# Altium PCB MB1605.PcbDoc (part 1 of 11) (continued)
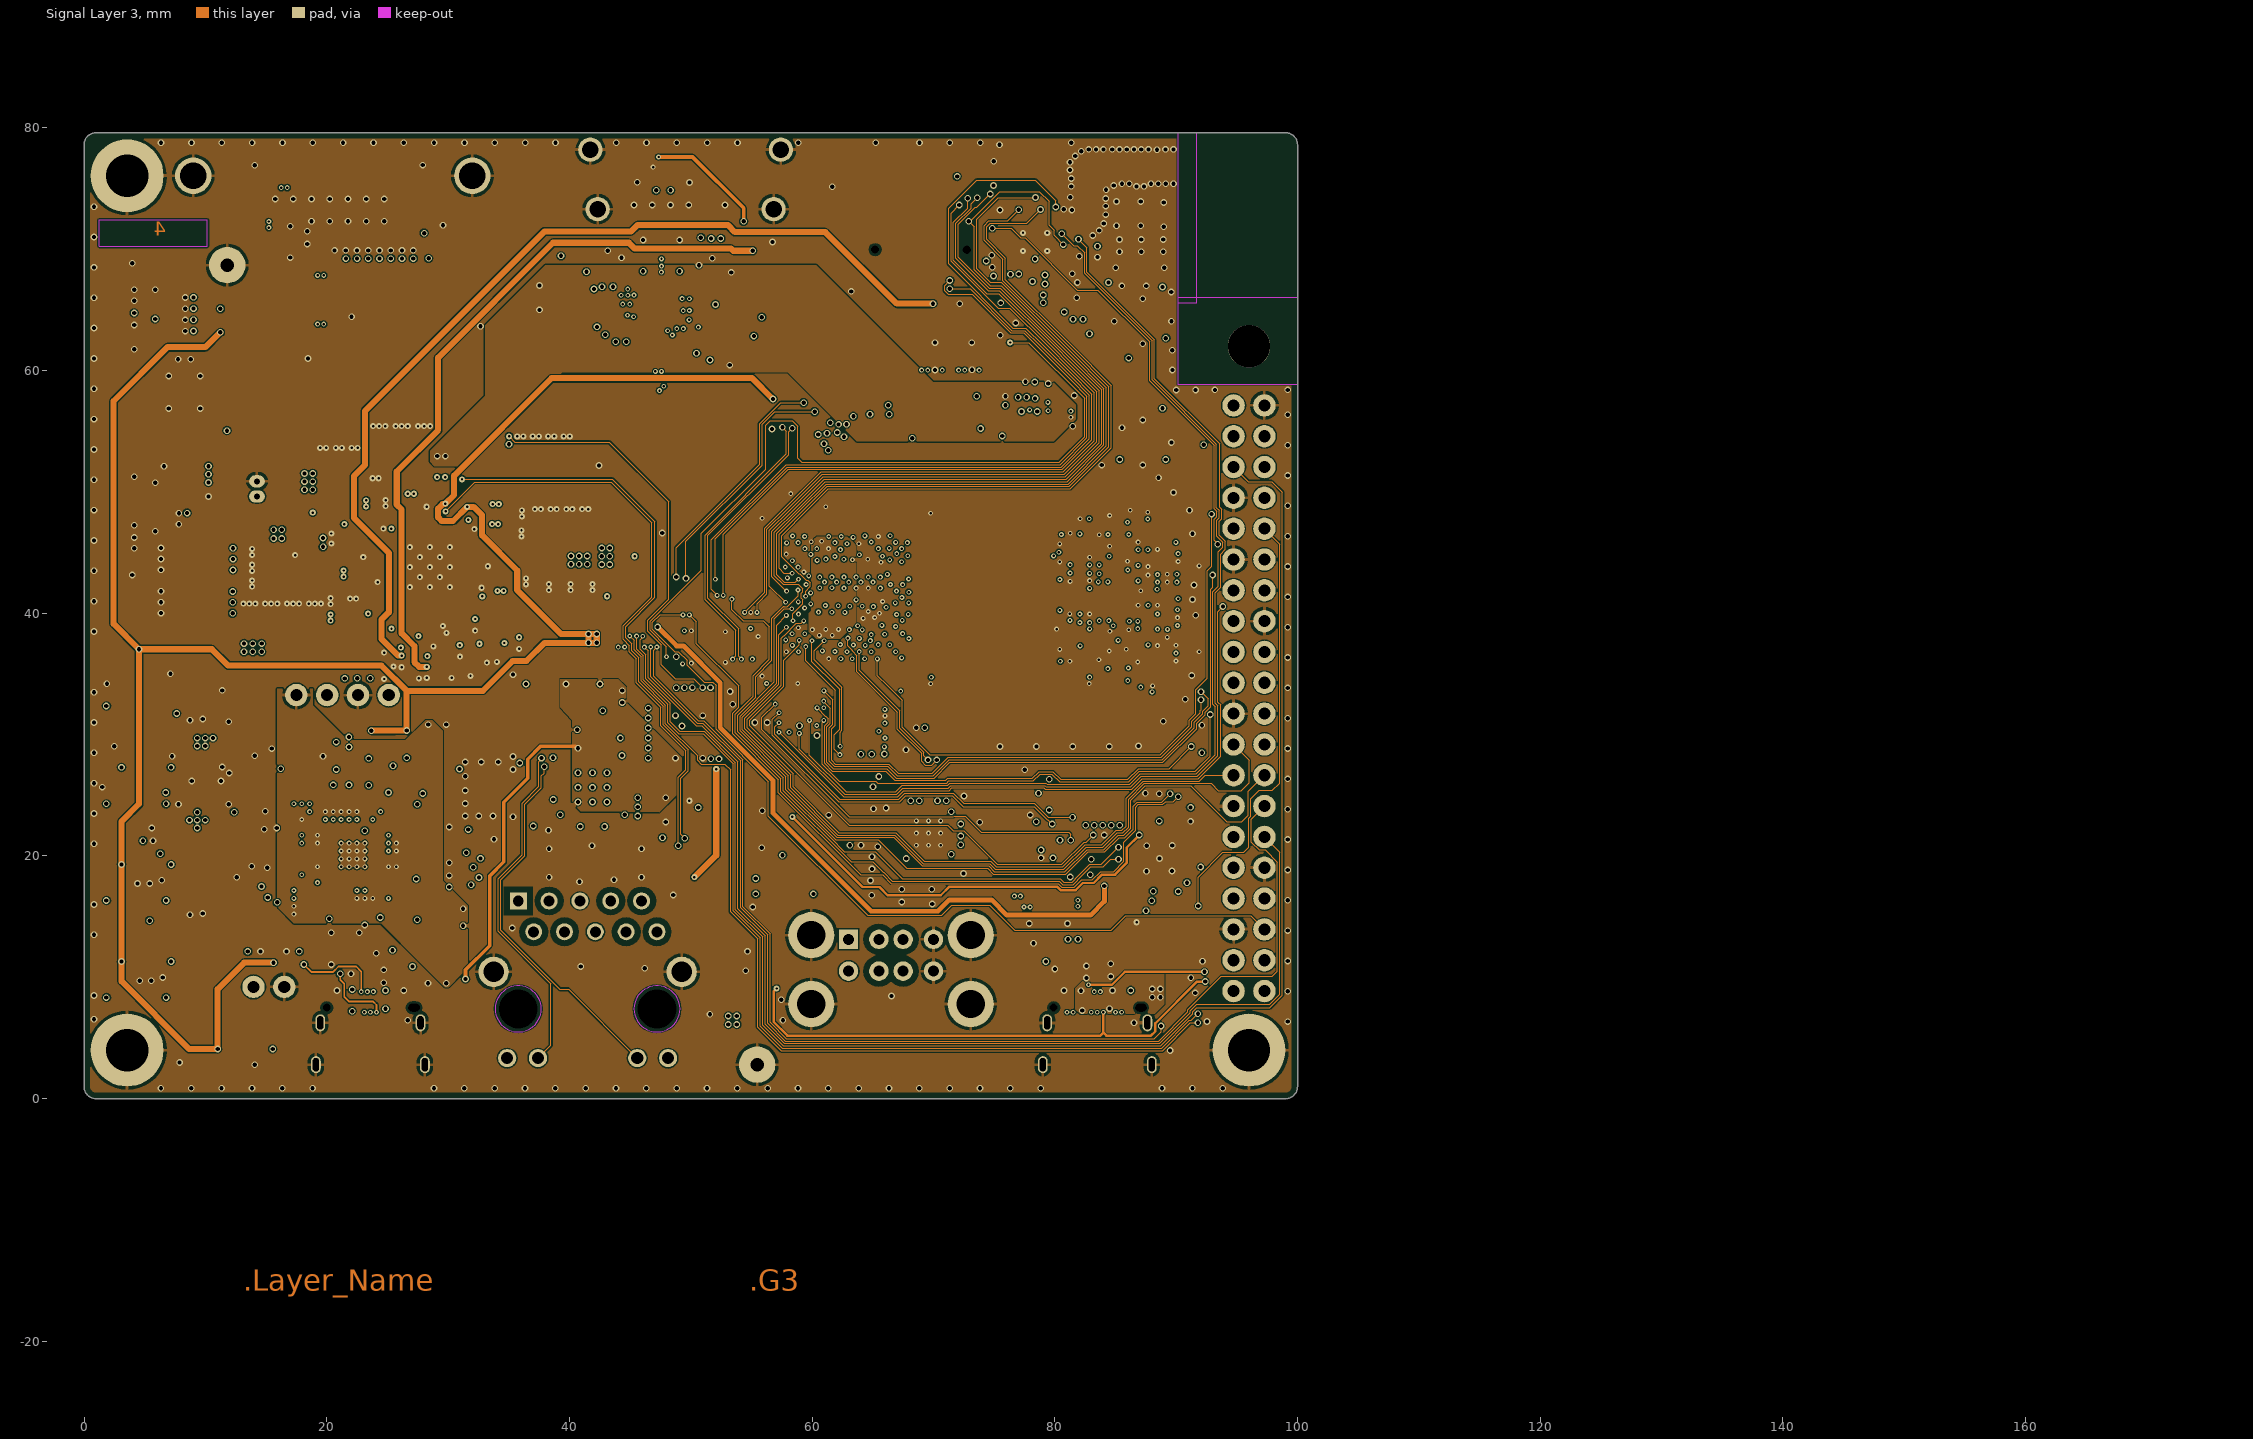
[diagram p4: Signal Layer 3]
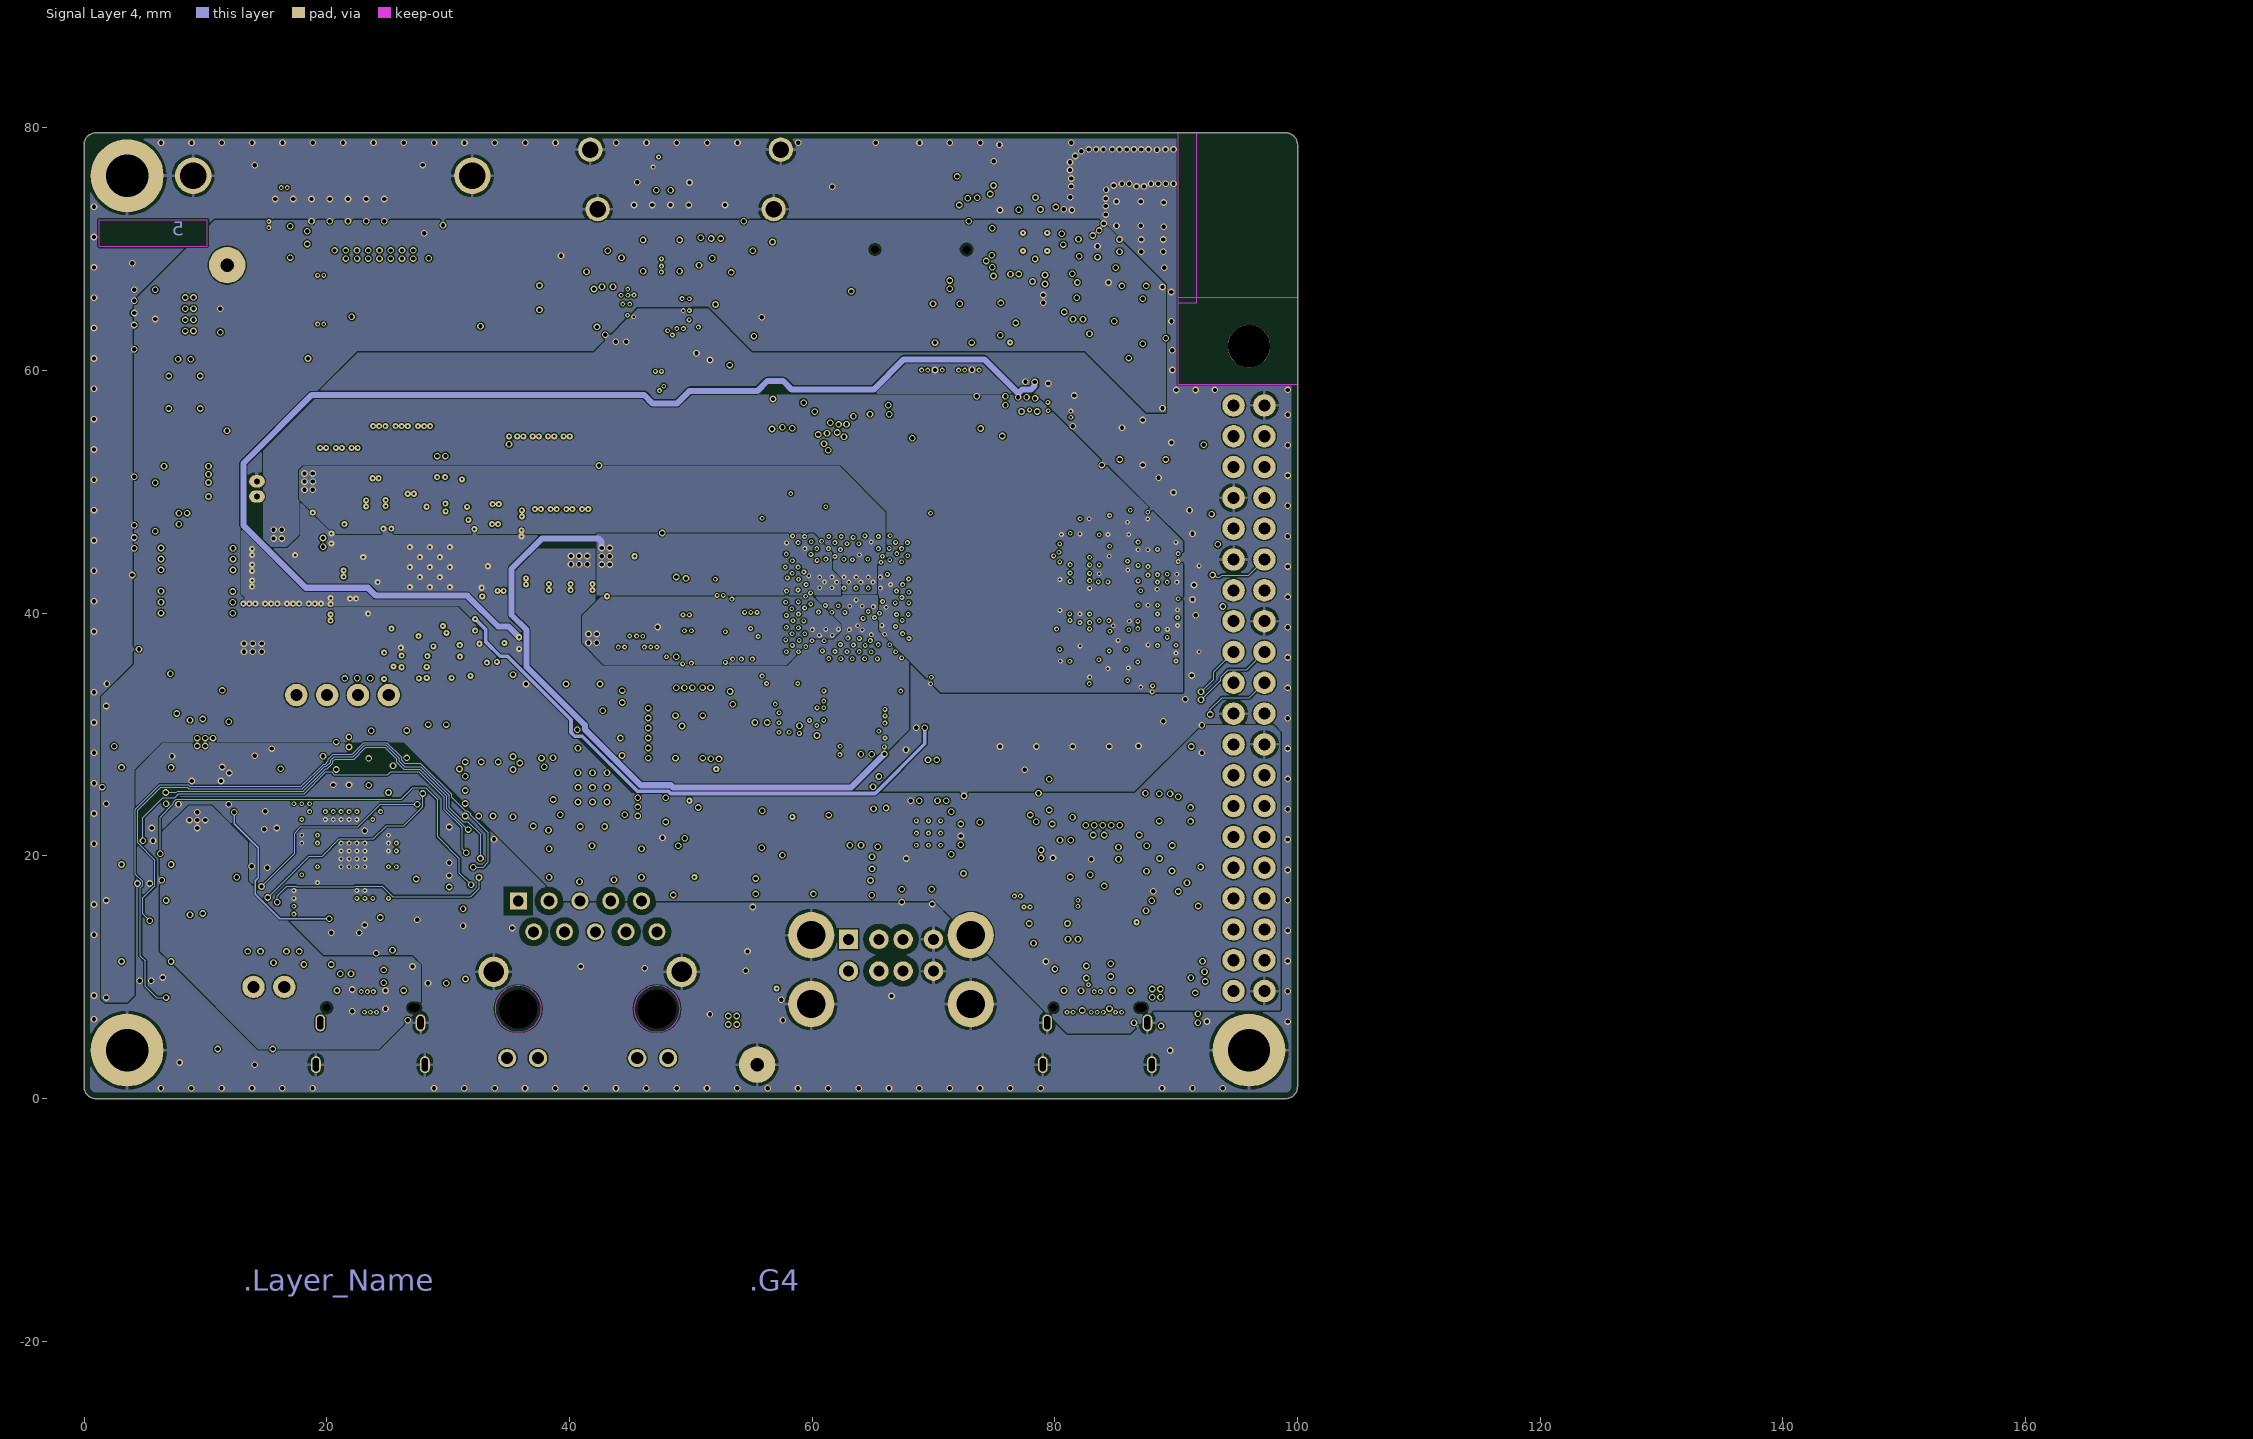
[diagram p5: Signal Layer 4]

## Layer stack, top to bottom
Top Solder: solder mask 0.025, Solder Resist, Dk 3.5
Top Layer: signal copper 0.037
Dielectric 1: prepreg 0.072, Dk 3.8
Signal Layer 1: signal copper 0.035
Dielectric 2: core 0.5, Dk 5
Signal Layer 2: signal copper 0.035
Dielectric 3: core 0.191, Dk 4.3
Signal Layer 3: signal copper 0.035
Dielectric 4: core 0.5, Dk 5
Signal Layer 4: signal copper 0.035
Dielectric 5: prepreg 0.072, Dk 3.8
Bottom Layer: signal copper 0.037
Bottom Solder: solder mask 0.025, Solder Resist, Dk 3.5

## Board outline
0,1 0,78.6 cw(c1,78.6) 1,79.6 99,79.6 cw(c99,78.6) 100,78.6 100,1 cw(c99,1) 99,0 1,0 cw(c1,1)

## Design rules (kind name [scope] priority, off if disabled: settings)
BoardOutlineClearance Silkscreen [OnLayer('Top Overlay') or OnLayer('Bottom Overlay')] p1: gap=0 ignorepadtopadclearanceinfootprint=FALSE
BoardOutlineClearance [All] p2: gap=0.5 ignorepadtopadclearanceinfootprint=FALSE
Clearance via_in_pad_ok [IsVia vs IsPad and ( ((Name='U50-21') or (Name='U30-33') or (Name='U34-25') or (Name='U38-41') or (Name='U26-57') ) or HasFootprint('MOD_WLAN-BT_MURATA_LBEE5KL1YN-814') )] p1: gap=0.3 ignorepadtopadclearanceinfootprint=TRUE except(0: Track-Track Track-SMDPad Track-Via Track-Region SMDPad-Via SMDPad-Hole Via-Region Via-Hole; 0.1: Arc-Arc Arc-Track Arc-SMDPad Arc-THPad Arc-Via Arc-Poly Track-THPad Track-Poly SMDPad-THPad Via-Via Via-Poly Poly-Poly; 0.15: Track-Hole SMDPad-Poly SMDPad-Region Fill-Fill; 0.17: Region-Region; 0.19: Arc-Hole; 0.2: SMDPad-SMDPad THPad-THPad THPad-Via THPad-Poly; 0.25: THPad-Hole Fill-Hole Poly-Hole Region-Hole Text-Hole)
Clearance Clearance_POLY_DIFF-PAIRS [InDifferentialPairClass('100H') or InDifferentialPairClass('90H') vs IsCopperRegion] p2: gap=0.3 ignorepadtopadclearanceinfootprint=TRUE except(0: SMDPad-Hole Via-Hole; 0.1: Arc-Arc Arc-Track Arc-Via Track-Track Track-SMDPad Track-Via Via-Via Via-Poly; 0.12: SMDPad-Via; 0.15: Arc-SMDPad Arc-THPad Track-THPad Track-Region SMDPad-Region; 0.17: Region-Region; 0.2: Track-Hole SMDPad-SMDPad SMDPad-THPad THPad-THPad THPad-Via Poly-Hole; 0.25: Arc-Hole THPad-Hole Fill-Hole Region-Hole Text-Hole; 0.48: Arc-Poly Track-Poly SMDPad-Poly THPad-Poly Fill-Poly Poly-Poly)
Clearance Clearance_POLY_50R [InNetClass('50H') or InNetClass('55H') vs IsCopperRegion] p3: gap=0.3 ignorepadtopadclearanceinfootprint=TRUE except(0: SMDPad-Hole Via-Hole; 0.1: Arc-Arc Arc-Track Arc-SMDPad Arc-THPad Arc-Via Track-SMDPad Track-THPad Track-Via Track-Region SMDPad-SMDPad SMDPad-THPad SMDPad-Via SMDPad-Region THPad-THPad THPad-Via Via-Via Via-Poly Region-Region; 0.2: Track-Track Track-Hole Poly-Hole; 0.25: Arc-Hole THPad-Hole Fill-Hole Region-Hole Text-Hole; 0.33: Arc-Poly Track-Poly SMDPad-Poly THPad-Poly Fill-Poly Poly-Poly)
Clearance Clearance_MCU_DDR [WithinRoom('U_Power_PMIC') or WithinRoom('RoomDefinition_DDR') or WithinRoom('RoomDefinition_eMMC')] p4: gap=0.1 ignorepadtopadclearanceinfootprint=TRUE except(0: SMDPad-Hole Via-Hole; 0.09: Track-Track Track-SMDPad; 0.2: Track-Hole Poly-Hole; 0.25: Arc-Hole THPad-Hole Fill-Hole Region-Hole Text-Hole)
Clearance Clearance_Default_SAME-NETS [Isvia vs IsPad] p5: gap=0.1 ignorepadtopadclearanceinfootprint=TRUE except(0: Track-Track Track-SMDPad Track-Via Track-Region SMDPad-Hole Via-Region Via-Hole; 0.075: SMDPad-Via; 0.15: Track-Hole; 0.19: Arc-Hole; 0.25: THPad-Hole Fill-Hole Poly-Hole Region-Hole Text-Hole)
Clearance Clearance_Default [All] p6: gap=0.1 ignorepadtopadclearanceinfootprint=TRUE except(0: SMDPad-Hole Via-Hole; 0.09: Track-Track; 0.2: Track-Hole Poly-Hole; 0.25: Arc-Hole THPad-Hole Fill-Hole Region-Hole Text-Hole)
ComponentClearance [All] p1: gap=0.2 collisioncheckmode=3 verticalgap=0 showdistances=FALSE
DiffPairsRouting 100H [InDifferentialPairClass('100H')] p1: maxlimit=0.254 minlimit=0.16 mostfreqgap=0.16 toplayer_maxgap=0.16 toplayer_minwidth=0.09 toplayer_maxwidth=0.09 toplayer_prefwidth=0.09 midlayer1_minwidth=0.09 midlayer1_maxwidth=0.381 midlayer1_prefwidth=0.09 midlayer4_minwidth=0.09 midlayer4_maxwidth=0.381 midlayer4_prefwidth=0.09 bottomlayer_maxgap=0.16 bottomlayer_minwidth=0.09 bottomlayer_maxwidth=0.09 bottomlayer_prefwidth=0.09 impedanceprofiledriven=TRUE impedanceprofileid={628B3294-B84C-4222-8D8D-B3EA8745C43E} impedanceprofilevalue=100.000000 maxuncoupledlength=12.7
DiffPairsRouting 90H [InDifferentialPairClass('90H')] p2: maxlimit=0.254 minlimit=0.12 mostfreqgap=0.254 toplayer_maxgap=0.12 toplayer_prefgap=0.12 toplayer_minwidth=0.09 toplayer_maxwidth=0.1 toplayer_prefwidth=0.1 bottomlayer_maxgap=0.12 bottomlayer_prefgap=0.12 bottomlayer_minwidth=0.1 bottomlayer_maxwidth=0.1 bottomlayer_prefwidth=0.1 impedanceprofiledriven=TRUE impedanceprofileid={4FA8ED21-C296-41FC-BFF2-99B46465CFD5} impedanceprofilevalue=90.000000 maxuncoupledlength=12.7
FanoutControl Fanout_BGA [IsBGA] p1: bgadir=Out bgaviamode=Closest fanoutstyle=Auto fanoutdirection=Alternating viagrid=0.025 // Fanout_BGA (Default Rule)
FanoutControl Fanout_LCC [IsLCC] p2: bgadir=Out bgaviamode=Closest fanoutstyle=Auto fanoutdirection=Alternating viagrid=0.025 // Fanout_LCC (Default Rule)
FanoutControl Fanout_SOIC [IsSOIC] p3: bgadir=Out bgaviamode=Closest fanoutstyle=Auto fanoutdirection=Alternating viagrid=0.025 // Fanout_SOIC (Default Rule)
FanoutControl Fanout_Small [(CompPinCount < 5)] p4: bgadir=Out bgaviamode=Closest fanoutstyle=Auto fanoutdirection=OutThenIn viagrid=0.025 // Fanout_Small (Default Rule)
FanoutControl Fanout_Default [All] p5: bgadir=Out bgaviamode=Closest fanoutstyle=Auto fanoutdirection=Alternating viagrid=0.025 // Fanout_Default (Default Rule)
HoleSize [All] p1: absolutevalues=TRUE maxlimit=10 minlimit=0.1 maxpercent=80.000 minpercent=20.000
HoleToHoleClearance [All] p1: gap=0.25 allowstackedmicrovias=TRUE
Length Length__SINGLE_SDMMC1_50R [InxSignalClass('SDMMC1')] p1: maxlimit=100 minlimit=0
Length Length__SINGLE_SDMMC2_50R [InxSignalClass('SDMMC2')] p2: maxlimit=50 minlimit=0
MatchedLengths MatchedLengths_INTRA_LVDS [InxSignalClass('LVDS')] p1: tolerance=5 checknetsindiffpair=FALSE checkdiffpairvsdiffpair=TRUE checkxsignals=TRUE checkothers=TRUE
MatchedLengths MatchedLengths_INTRA_DSI [InxSignalClass('DSI')] p2: tolerance=3 checknetsindiffpair=FALSE checkdiffpairvsdiffpair=TRUE checkxsignals=TRUE checkothers=TRUE
MatchedLengths MatchedLengths_INTRA_CSI [InxSignalClass('CSI')] p3: tolerance=1.3 checknetsindiffpair=FALSE checkdiffpairvsdiffpair=TRUE checkxsignals=TRUE checkothers=TRUE
MatchedLengths MatchedLengths_SDMMC2 [InxSignalClass('SDMMC2')] p4: tolerance=5 checknetsindiffpair=FALSE checkdiffpairvsdiffpair=TRUE checkxsignals=TRUE checkothers=TRUE
MatchedLengths MatchedLengths_SDMMC3 [InxSignalClass('SDMMC3')] p5: tolerance=5 checknetsindiffpair=FALSE checkdiffpairvsdiffpair=TRUE checkxsignals=TRUE checkothers=TRUE
MatchedLengths MatchedLengths_SDMMC1 [InxSignalClass('SDMMC1')] p6: tolerance=5 checknetsindiffpair=FALSE checkdiffpairvsdiffpair=TRUE checkxsignals=TRUE checkothers=TRUE
MatchedLengths MatchedLengths_ETH [InxSignalClass('ETH')] p7: tolerance=10 checknetsindiffpair=FALSE checkdiffpairvsdiffpair=TRUE checkxsignals=TRUE checkothers=TRUE
MaxMinImpedance "Schematic Impedance Constraint_3" [InNet('STLK_USB_CN_N')] p1: minimum=85.00 maximum=95.00
MaxMinImpedance "Schematic Impedance Constraint_2" [InNet('STLK_USB_P')] p2: minimum=85.00 maximum=95.00
MaxMinImpedance "Schematic Impedance Constraint_1" [InNet('STLK_USB_N')] p3: minimum=85.00 maximum=95.00
MaxMinImpedance "Schematic Impedance Constraint" [InNet('STLK_USB_CN_P')] p4: minimum=85.00 maximum=95.00
MinimumSolderMaskSliver MinimumSolderMaskSliver_SOLDER_BRIDGE [All vs HasFootprint('SOLDER-BRIDGE_R0603-0R')] p1: minsoldermaskwidth=0.07
MinimumSolderMaskSliver [All] p2: minsoldermaskwidth=0.075
PlaneConnect [All] p1: planeconnectstyle=Direct reliefexpansion=0.508 reliefentries=4 reliefconductorwidth=0.21 reliefairgap=0.21
PolygonConnect PolygonConnect_Default [All] p1: thpad.connectstyle=Relief thpad.reliefconductorwidth=0.25 thpad.reliefentries=4 thpad.polygonreliefangle="90 Angle" thpad.airgapwidth=0.25 smdpad.connectstyle=NoConnect smdpad.reliefconductorwidth=0.2 smdpad.reliefentries=4 smdpad.polygonreliefangle="90 Angle" smdpad.airgapwidth=0.15 via.connectstyle=Direct via.reliefconductorwidth=0.2 via.reliefentries=4 via.polygonreliefangle="90 Angle" via.airgapwidth=0.2
RoomDefinition RoomDefinition_eMMC [False] p1: confinementstyle=ConfineIn formatcopy=TRUE lockcomponents=FALSE outline 74.056,62.109 81.346,62.109 81.346,54.705 74.056,54.705
RoomDefinition RoomDefinition_DDR [False] p2: confinementstyle=ConfineIn formatcopy=TRUE lockcomponents=FALSE outline 79.028,49.26 90.8,49.26 90.8,33.46 79.028,33.46
RoomDefinition U_Power_PMIC [InComponentClass('U_Power_PMIC')] p3: confinementstyle=ConfineIn formatcopy=TRUE lockcomponents=FALSE outline 55.625,48.575 70.125,48.575 70.125,34.075 55.625,34.075
RoutingLayers RoutingLayers_SINGLE_SDMMC1_50R [InNetClass('NC_SINGLE_SDMMC1_50R')] p1: top layer_v5=TRUE mid layer 1_v5=FALSE mid layer 2_v5=FALSE mid layer 3_v5=FALSE mid layer 4_v5=FALSE bottom layer_v5=TRUE
RoutingLayers RoutingLayers_SINGLE_SDMMC2_50R [InNetClass('NC_SINGLE_SDMMC2_50R')] p2: top layer_v5=TRUE mid layer 1_v5=FALSE mid layer 2_v5=FALSE mid layer 3_v5=FALSE mid layer 4_v5=FALSE bottom layer_v5=TRUE
RoutingLayers RoutingLayers_SINGLE_OCTOSPI_50R [InNetClass('NC_SINGLE_OCTOSPI_50R')] p3: top layer_v5=TRUE mid layer 1_v5=FALSE mid layer 2_v5=FALSE mid layer 3_v5=FALSE mid layer 4_v5=FALSE bottom layer_v5=TRUE
RoutingLayers RoutingLayers_SINGLE_DDR_55R [InNetClass('NC_SINGLE_DDR_55R')] p4: top layer_v5=TRUE mid layer 1_v5=FALSE mid layer 2_v5=FALSE mid layer 3_v5=FALSE mid layer 4_v5=FALSE bottom layer_v5=TRUE
RoutingLayers RoutingLayers_SINGLE_RGMII_ALL_50R_AND_CLK [InNetClass('NC_SINGLE_RGMII_ALL_50R_AND_CLK')] p5: top layer_v5=TRUE mid layer 1_v5=FALSE mid layer 2_v5=FALSE mid layer 3_v5=FALSE mid layer 4_v5=FALSE bottom layer_v5=TRUE
RoutingLayers RoutingLayers_I_SENS_XX_L3 [InNetClass('NC_I_SENS_XXX')] p6: top layer_v5=TRUE mid layer 1_v5=FALSE mid layer 2_v5=TRUE mid layer 3_v5=FALSE mid layer 4_v5=FALSE bottom layer_v5=TRUE
RoutingLayers [All] p7: top layer_v5=TRUE mid layer 1_v5=TRUE mid layer 2_v5=TRUE mid layer 3_v5=TRUE mid layer 4_v5=TRUE bottom layer_v5=TRUE
RoutingVias LVH [InDrillLayerPair('Top Layer - Signal Layer 1')] p1: holewidth=0.15 width=0.4 viastyle="Through Hole" minholewidth=0.15 minwidth=0.4 maxholewidth=0.35 maxwidth=0.6 useviatemplates=TRUE viatemplateguid#1={EFD40917-9999-4685-82FF-413DDD0863D8} viatemplatename#1=v25h10z30x30m0mx40
RoutingVias RoutingVias_Default [InDrillLayerPair('Top Layer - Bottom Layer')] p2: holewidth=0.15 width=0.4 viastyle="Through Hole" minholewidth=0.15 minwidth=0.4 maxholewidth=0.35 maxwidth=0.6 useviatemplates=TRUE viatemplateguid#1={8082EAB8-D593-4669-9C8E-234CD125C595} viatemplateguid#2={45AB699A-D4FA-449C-AC3F-FE300CB3C27D} viatemplateguid#3={0C56A9B8-CF93-463B-97D5-BDCC265789B0} viatemplateguid#4={9F28DA9E-6088-4B56-A5CF-E6C86A3E97F7} viatemplatename#1=v40h20m0mx0 viatemplatename#2=v40h20m25 viatemplatename#3=v50h20m25 viatemplatename#4=v55h35m40mx40
ShortCircuit ShortCircuit_I-SENS-VDDCORE_N [InNet('I_SENS_VDDCORE_N') vs InNet('VDDCORE')] p1: allowed=TRUE
ShortCircuit ShortCircuit_I-SENS-VDDGPU_N [InNet('I_SENS_VDDGPU_N') vs InNet('VDDGPU')] p2: allowed=TRUE
ShortCircuit ShortCircuit_I-SENS-VDDIO_N [InNet('I_SENS_VDDIO_N') vs InNet('VDDIO')] p3: allowed=TRUE
ShortCircuit ShortCircuit_I-SENS-VDDCPU_N [InNet('I_SENS_VDDCPU_N') vs InNet('VDDCPU')] p4: allowed=TRUE
ShortCircuit ShortCircuit_VDD_DDR [InNet('VDD_DDR') And OnLayer('Top Layer') vs InNet('I_SENS_VDD_DDR_4_N') And OnLayer('Top Layer')] p5: allowed=TRUE
ShortCircuit ShortCircuit_Link200 [InPadClass('PC_LINK200')] p6: allowed=TRUE
SilkToSilkClearance [All] p1: silktosilkclearance=0.2
SilkToSolderMaskClearance [IsPad] p1: minsilkscreentomaskgap=0.015 clearancetoexposedcopper=TRUE
SolderMaskExpansion [All] p1: expansion=0.1 istentingtop=FALSE
ViasUnderSMD [InPadClass('PC_VIAS-IN-PAD_OK')] p1: allowed=TRUE
Width Width_SINGLE_50R [InNetClass('50H')] p1: maxlimit=0.199 minlimit=0.078 preferedwidth=0.199 toplayer_minwidth=0.09 toplayer_maxwidth=0.11 toplayer_prefwidth=0.11 bottomlayer_minwidth=0.11 bottomlayer_maxwidth=0.11 bottomlayer_prefwidth=0.11 impedanceprofiledriven=TRUE impedanceprofileid={152E730A-FDA4-4006-BF82-0EE0D5C1A339} impedanceprofilevalue=50.000000 minimp=50.000000 maximp=50.000000 favimp=50.000000
Width Width_SINGLE_DDR_55R [InNetClass('55H')] p2: maxlimit=0.199 minlimit=0.078 preferedwidth=0.199 toplayer_minwidth=0.09 toplayer_maxwidth=0.09 toplayer_prefwidth=0.09 bottomlayer_minwidth=0.09 bottomlayer_maxwidth=0.09 bottomlayer_prefwidth=0.09 impedanceprofiledriven=TRUE impedanceprofileid={D5948A69-504E-4D29-B9E5-77B49DDD78E4} impedanceprofilevalue=55.000000 minimp=50.000000 maximp=50.000000 favimp=50.000000
Width Width_Default [InNetClass('All Nets')] p3: maxlimit=10 minlimit=0.09 preferedwidth=0.1 midlayer1_minwidth=0.1 midlayer2_minwidth=0.1 midlayer3_minwidth=0.1 midlayer4_minwidth=0.1 bottomlayer_minwidth=0.1 minimp=50.000000 maximp=50.000000 favimp=50.000000
15 further rules are at their usual default settings.

## Classes and differential pairs
differential pair class CSI_LVDS_DSI_HDMI: CSI.CK CSI.CKcon CSI.D0 CSI.D0con CSI.D1 CSI.D1con DSI_CLK DSI_D0 DSI_D1 DSI_D2 DSI_D3 HDMI_RX0 HDMI_RX1 HDMI_RX2 HDMI_RXC LVDS1.CLK LVDS1.CLKcon LVDS1.D0 LVDS1.D0con LVDS1.D1 LVDS1.D1con LVDS1.D2 LVDS1.D2con LVDS1.D3 LVDS1.D3con TMDS_CLK TMDS_D0 TMDS_D1 TMDS_D2
differential pair class USB: STLK_USB STLK_USB_CN USB1CN USB2CN USB_DCONN USBDN1 USBDN2 USBDR USBH
differential pair class USB3: RX1 RX2 TX1 TX2 TX10 TX20 USB3RX USB3TX
net class DDR_DATA0-7: DDR_DQ0_A DDR_DQ1_A DDR_DQ2_A DDR_DQ3_A DDR_DQ4_A DDR_DQ5_A DDR_DQ6_A DDR_DQ7_A DDR_DQMI0_A DDR_DQS0_A_N DDR_DQS0_A_P
net class 100H: CSI.CK_N CSI.CK_P CSI.CKcon_N CSI.CKcon_P CSI.D0_N CSI.D0_P CSI.D0con_N CSI.D0con_P CSI.D1_N CSI.D1_P CSI.D1con_N CSI.D1con_P DDR_CLK_A_N DDR_CLK_A_P DDR_CLK_B_N DDR_CLK_B_P DDR_DQS0_A_N DDR_DQS0_A_P DDR_DQS0_B_N DDR_DQS0_B_P DDR_DQS1_A_N DDR_DQS1_A_P DDR_DQS1_B_N DDR_DQS1_B_P DSI_CLK_N DSI_CLK_P DSI_D0_N DSI_D0_P DSI_D1_N DSI_D1_P DSI_D2_N DSI_D2_P DSI_D3_N DSI_D3_P HDMI_RX0_N HDMI_RX0_P HDMI_RX1_N HDMI_RX1_P HDMI_RX2_N HDMI_RX2_P HDMI_RXC_N HDMI_RXC_P LVDS1.CLK_N LVDS1.CLK_P LVDS1.CLKcon_N LVDS1.CLKcon_P LVDS1.D0_N LVDS1.D0_P LVDS1.D0con_N LVDS1.D0con_P LVDS1.D1_N LVDS1.D1_P LVDS1.D1con_N LVDS1.D1con_P LVDS1.D2_N LVDS1.D2_P LVDS1.D2con_N LVDS1.D2con_P LVDS1.D3_N LVDS1.D3_P LVDS1.D3con_N LVDS1.D3con_P RJ452_D1_N RJ452_D1_P RJ452_D2_N RJ452_D2_P RJ452_D3_N RJ452_D3_P RJ452_D4_N RJ452_D4_P TMDS_CLK_N TMDS_CLK_P TMDS_D0_N TMDS_D0_P TMDS_D1_N TMDS_D1_P TMDS_D2_N TMDS_D2_P
net class 90H: NetC100_2 NetC265_2 NetC266_2 NetC267_2 RX1_N RX1_P RX2_N RX2_P STLK_USB_CN_N STLK_USB_CN_P STLK_USB_N STLK_USB_P TX10_N TX10_P TX20_N TX20_P USB1CN_N USB1CN_P USB2CN_N USB2CN_P USB3RX_N USB3RX_P USB3TX_N USB3TX_P USB_DCONN_N USB_DCONN_P USBDN1_N USBDN1_P USBDN2_N USBDN2_P USBDR_N USBDR_P USBH_N USBH_P
net class 55H: DDR_CA0_A DDR_CA0_B DDR_CA1_A DDR_CA1_B DDR_CA2_A DDR_CA2_B DDR_CA3_A DDR_CA3_B DDR_CA4_A DDR_CA4_B DDR_CA5_A DDR_CA5_B DDR_CKE0_A DDR_CKE0_B DDR_CS0_A DDR_CS0_B DDR_DQ0_A DDR_DQ0_B DDR_DQ1_A DDR_DQ1_B DDR_DQ2_A DDR_DQ2_B DDR_DQ3_A DDR_DQ3_B DDR_DQ4_A DDR_DQ4_B DDR_DQ5_A DDR_DQ5_B DDR_DQ6_A DDR_DQ6_B DDR_DQ7_A DDR_DQ7_B DDR_DQ8_A DDR_DQ8_B DDR_DQ9_A DDR_DQ9_B DDR_DQ10_A DDR_DQ10_B DDR_DQ11_A DDR_DQ11_B DDR_DQ12_A DDR_DQ12_B DDR_DQ13_A DDR_DQ13_B DDR_DQ14_A DDR_DQ14_B DDR_DQ15_A DDR_DQ15_B DDR_DQMI0_A DDR_DQMI0_B DDR_DQMI1_A DDR_DQMI1_B DDR_RESETN
differential pair class 100H: CSI.CK CSI.CKcon CSI.D0 CSI.D0con CSI.D1 CSI.D1con DDR_CLK_A DDR_CLK_B DDR_DQS0_A DDR_DQS0_B DDR_DQS1_A DDR_DQS1_B DSI_CLK DSI_D0 DSI_D1 DSI_D2 DSI_D3 HDMI_RX0 HDMI_RX1 HDMI_RX2 HDMI_RXC LVDS1.CLK LVDS1.CLKcon LVDS1.D0 LVDS1.D0con LVDS1.D1 LVDS1.D1con LVDS1.D2 LVDS1.D2con LVDS1.D3 LVDS1.D3con RJ452_D1 RJ452_D2 RJ452_D3 RJ452_D4 TMDS_CLK TMDS_D0 TMDS_D1 TMDS_D2
differential pair class 90H: netc265/netc212 netc266/netc267 RX1 RX2 STLK_USB STLK_USB_CN TX1 TX2 TX10 TX20 USB1CN USB2CN USB3RX USB3TX USB_DCONN USBDN1 USBDN2 USBDR USBH
net class 50H: eMMC.SDMMC2_CK eMMC.SDMMC2_CMD eMMC.SDMMC2_D0 eMMC.SDMMC2_D1 eMMC.SDMMC2_D2 eMMC.SDMMC2_D3 eMMC.SDMMC2_D4 eMMC.SDMMC2_D5 eMMC.SDMMC2_D6 eMMC.SDMMC2_D7 ETH1.CLK ETH1.CLK125 ETH1.GTX_CLK ETH1.MDC ETH1.MDINT ETH1.MDIO ETH1.NRST ETH1.RX_CLK ETH1.RX_CTL ETH1.RXD0 ETH1.RXD1 ETH1.RXD2 ETH1.RXD3 ETH1.TX_CTL ETH1.TXD0 ETH1.TXD1 ETH1.TXD2 ETH1.TXD3 NetCN6_5 NetR120_2 NetR121_2 NetR147_2 NetR148_2 NetR149_2 NetR150_2 NetR161_2 NetR164_2 NetR167_2 NetR173_2 NetR178_2 NetR185_2 SD.SDMMC1_CK SD.SDMMC1_CMD SD.SDMMC1_D0 SD.SDMMC1_D1 SD.SDMMC1_D2 SD.SDMMC1_D3 SD.uSD_DETECT WL.SDMMC3_CK WL.SDMMC3_CMD WL.SDMMC3_D0 WL.SDMMC3_D1 WL.SDMMC3_D2 WL.SDMMC3_D3
net class ETH1.TXD[0..3]: ETH1.TXD0 ETH1.TXD1 ETH1.TXD2 ETH1.TXD3
net class ETH1.RXD[0..3]: ETH1.RXD0 ETH1.RXD1 ETH1.RXD2 ETH1.RXD3
net class WL.SDMMC3_D[0..3]: WL.SDMMC3_D0 WL.SDMMC3_D1 WL.SDMMC3_D2 WL.SDMMC3_D3
net class eMMC.SDMMC2_D[0..7]: eMMC.SDMMC2_D0 eMMC.SDMMC2_D1 eMMC.SDMMC2_D2 eMMC.SDMMC2_D3 eMMC.SDMMC2_D4 eMMC.SDMMC2_D5 eMMC.SDMMC2_D6 eMMC.SDMMC2_D7
component class U_USB_HUB: C1 C114 C115 C116 C119 C126 C127 C143 C146 C150 C155 C226 C227 CN19 L12 LD4 R52 R94 R95 R96 R97 R98 R99 R100 R102 R323 R324 SB1 SB2 U34 U41 U44 U45 U46 U51 X3
component class U_USB3: C31 C94 C95 C99 C100 C105 C156 C159 C168 C170 C171 C212 C265 C266 C267 C334 C335 CN15 D2 D5 Q5 Q9 Q10 Q11 Q12 R5 R6 R7 R8 R10 R12 R41 R105 R106 R162 R187 R200 R219 R220 R223 R225 R231 R232 R325 R327 TP34 TP36 TP37 TP38 TP39 U42 U43 U50 U56 U57 U58
component class U_STLINK_V3EC: C25 C110 C129 C131 C132 C133 C140 C145 C149 C157 C158 C160 C164 C165 C166 C169 C172 C173 C281 C282 C289 C290 C297 C298 C299 C303 C310 C311 C324 C325 C326 C327 C328 C329 C333 CN14 CN21 JP3 LD5 LD6 LNK13 R129 R130 R131 R132 R133 R134 R153 R154 R155 R156 R181 R194 R207 R209 R211 R212 R213 R214 R215 R216 R217 R218 R221 R222 R226 R227 R229 R230 R239 R240 R241 R242 TP26 TP27 TP28 TP29 TP33 U35 U36 U47 U48 U49 U52 X7